# Altium PCB 按键_数码管.PcbDoc
Units mil, origin at the board's own origin, x right, y up, seen from the top; angles counter-clockwise.
Board outline 3800 x 3100 mil, 2 copper layers (Top Layer, Bottom Layer); 45 components, 61 nets, 247 pads, 12 vias.
Unrouted connection lines stored in the file: 1.
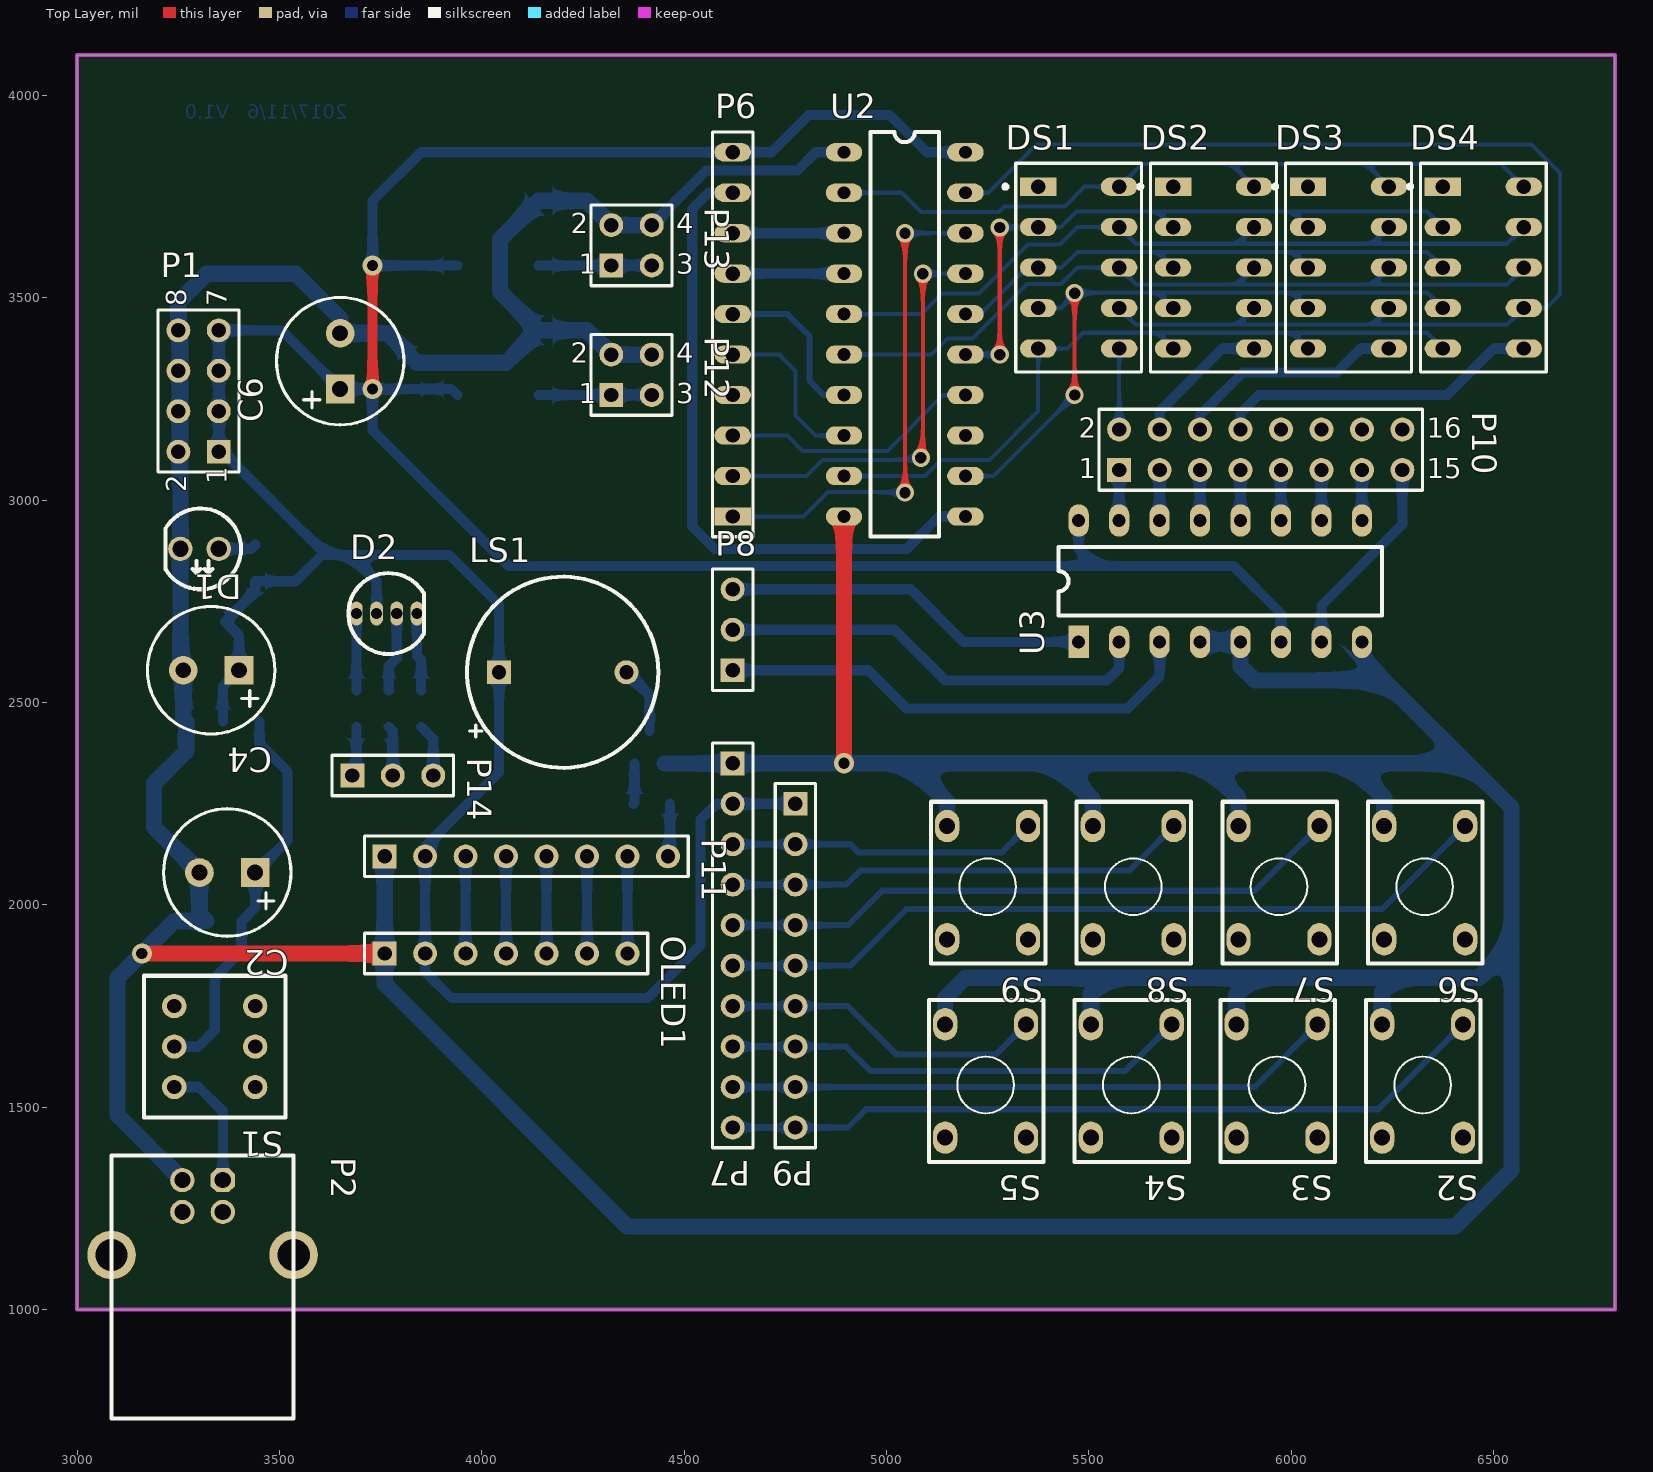
[diagram p0: Top Layer view]
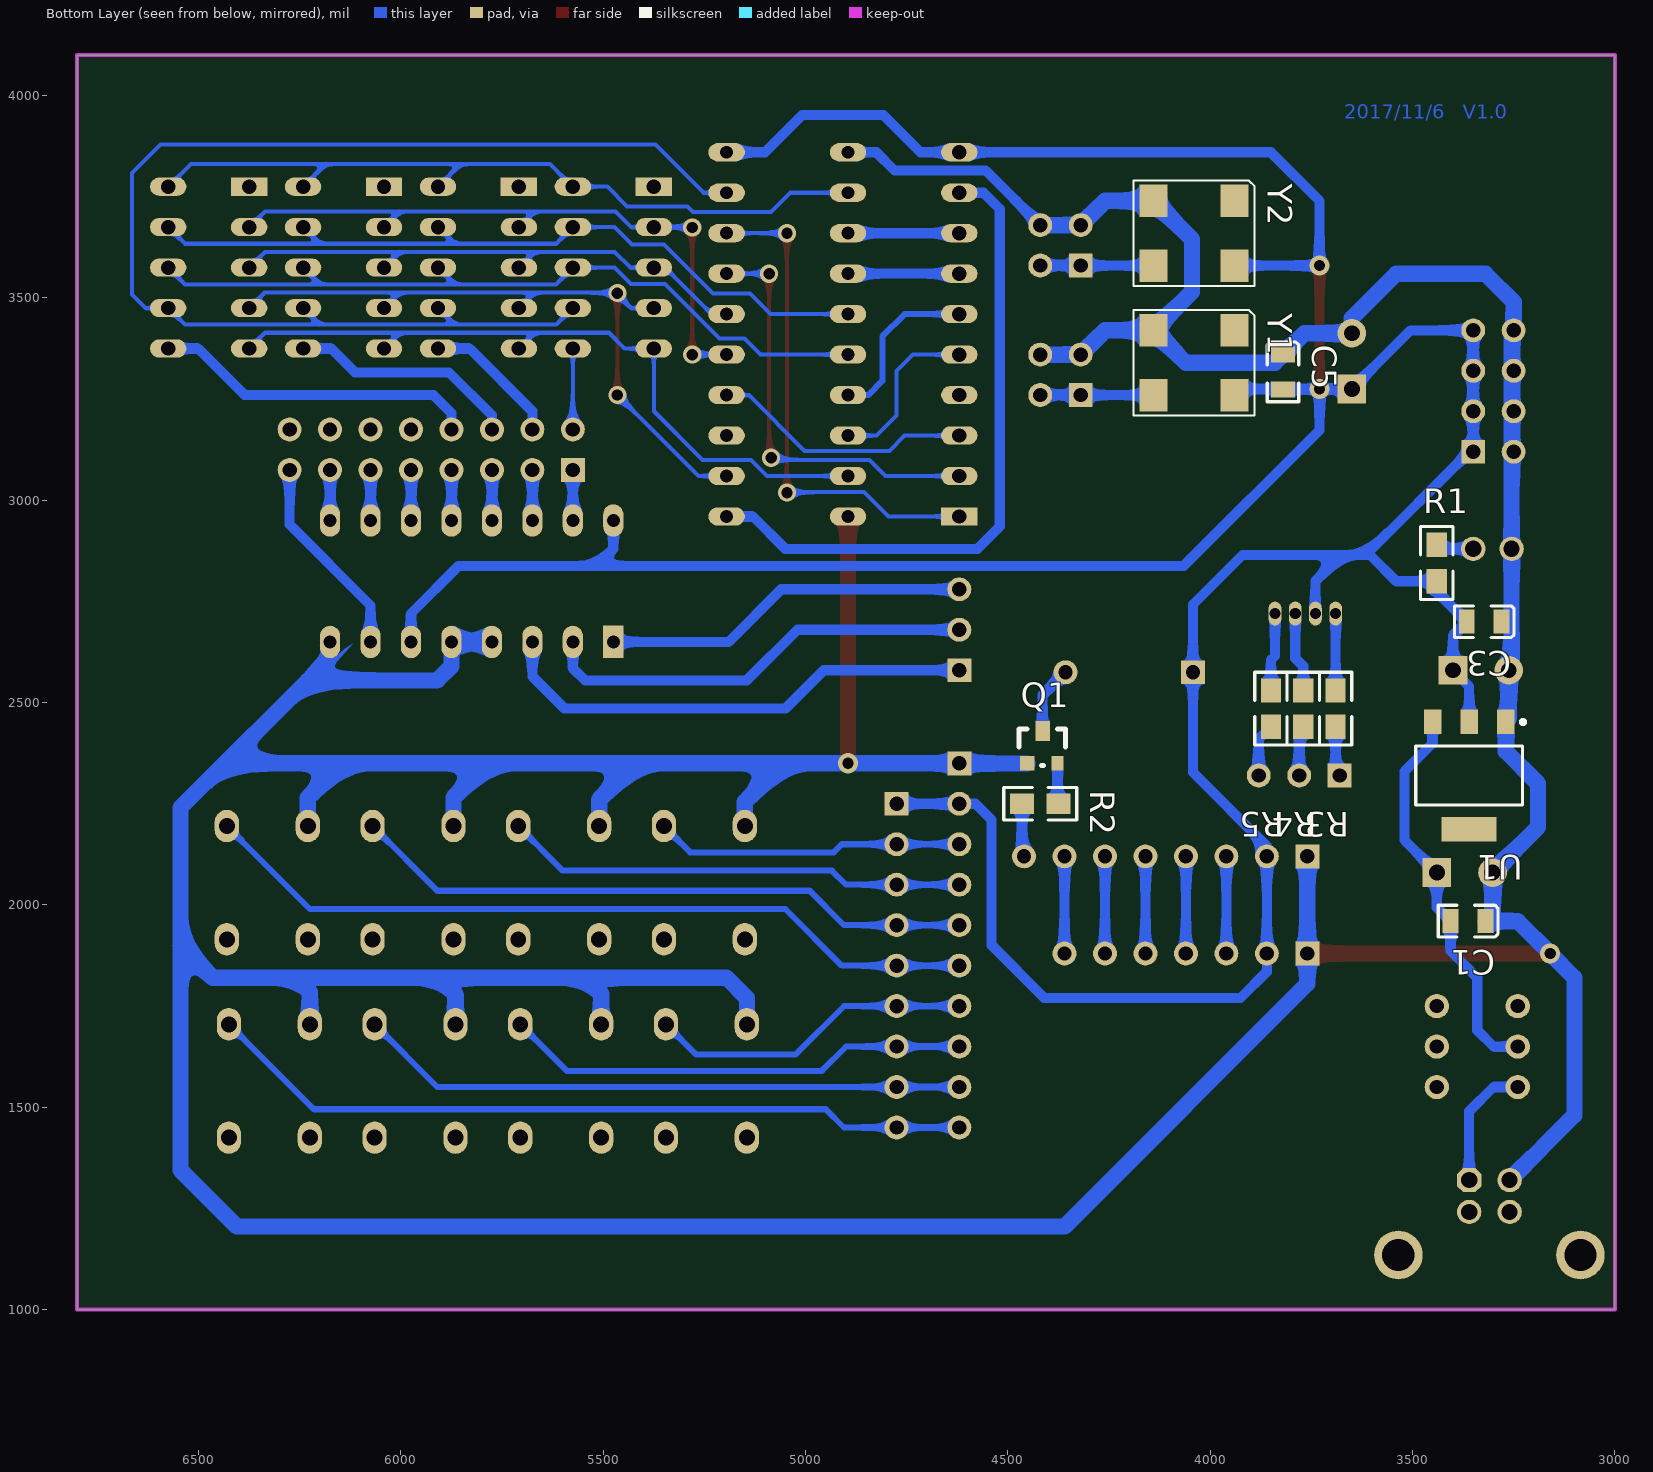
[diagram p1: Bottom Layer view, seen from below]
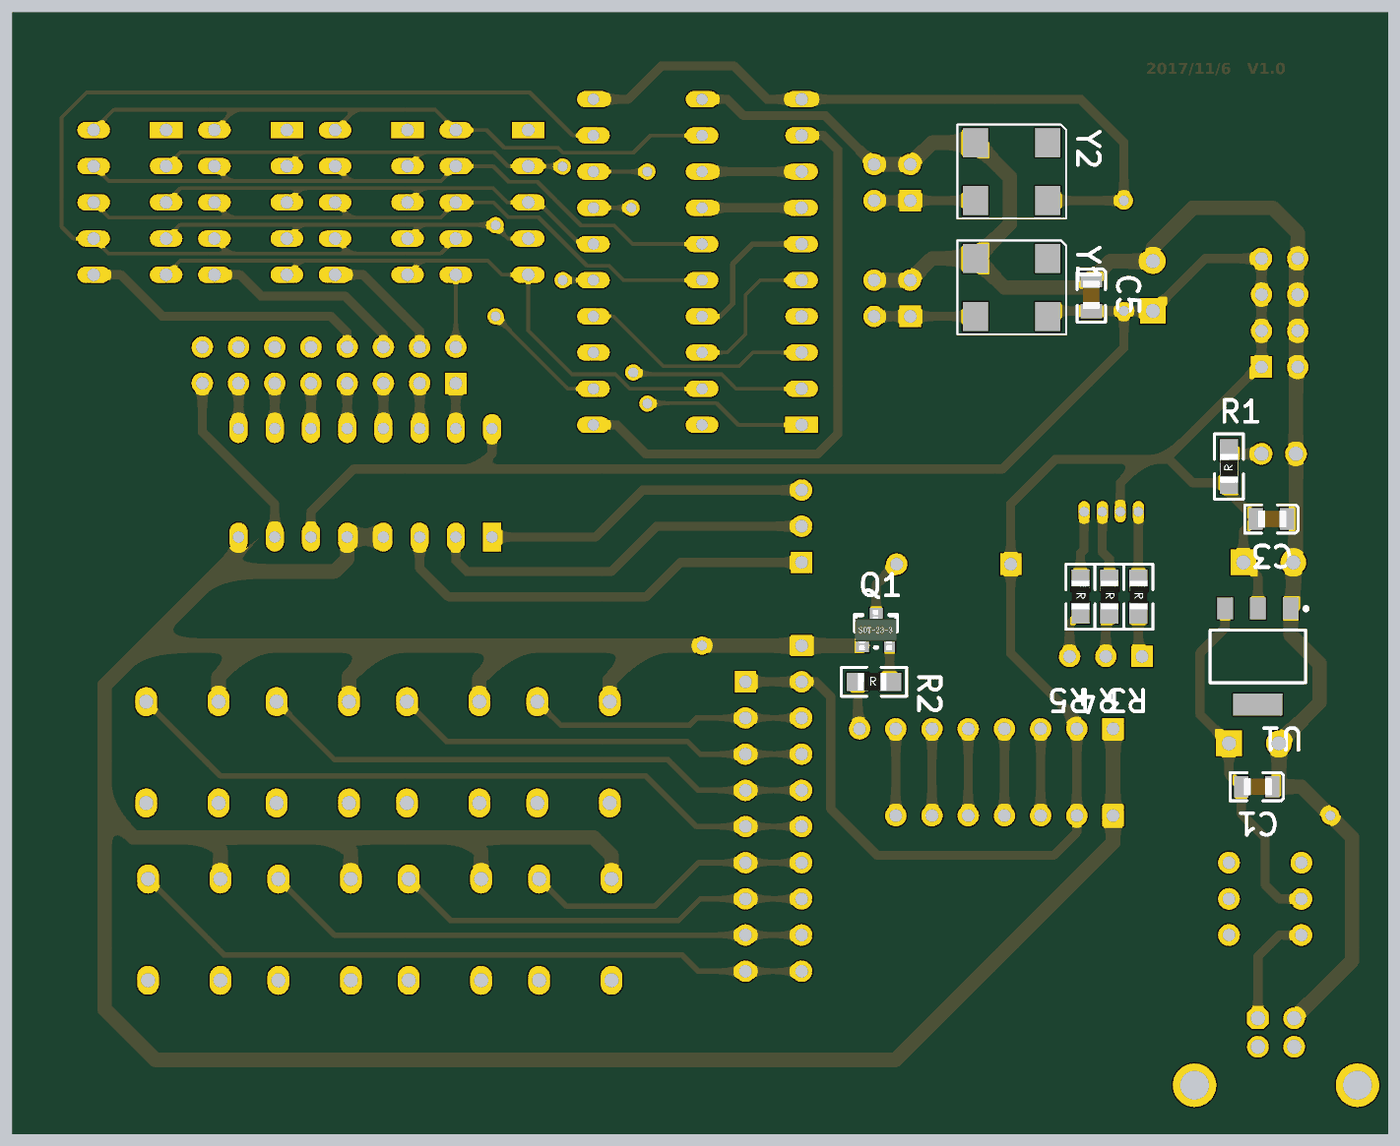
[diagram p2: 3D render of the assembled board from below, using the file's embedded part models]

## Layer stack, top to bottom
Top Solder: solder mask 0.4, Solder Resist, Dk 3.5
Top Layer: signal copper 1.4
Dielectric 1: dielectric 12.6, FR-4, Dk 4.8
Bottom Layer: signal copper 1.4
Bottom Solder: solder mask 0.4, Solder Resist, Dk 3.5

## Board outline
3000,1000 3000,4100 6800,4100 6800,1000

## Design rules (kind name [scope] priority, off if disabled: settings)
Clearance [All] p1: gap=10
PolygonConnect [All] p1: connectstyle=Relief reliefconductorwidth=10 reliefentries=4 polygonreliefangle="90 Angle" airgapwidth=10
RoutingVias [All] p1: holewidth=28 width=50 viastyle="Through Hole" minholewidth=28 minwidth=50 maxholewidth=28 maxwidth=50
SolderMaskExpansion [All] p1: expansion=4
Width [All] p1: maxlimit=100 minlimit=10 preferedwidth=15
30 further rules are at their usual default settings.

## Components (designator, comment, footprint, x,y, rotation, side; value= is the part's Value field where it differs from the comment)
C1 "Cap" C-0805 3320,1960 r0 bottom
C2 "Cap Pol1" C-RB-8 3440,2080 r180 top
C3 "Cap" C-0805 3280,2700 r0 bottom
C4 "Cap Pol1" C-RB-8 3400,2580 r180 top
C5 "Cap" C-0805 3820,3360 r270 bottom
C6 "Cap Pol1" C-RB-8 3650,3275 r90 top
D1 "LED0" LED 3350,2880 r180 top
D2 "LED-RGB" LED-RGB 3770,2720 r0 top
DS1 "Dpy Amber-CC" A 5475,3575 r0 top
DS2 "Dpy Amber-CC" A 5808.33,3575 r0 top
DS3 "Dpy Amber-CC" A 6141.67,3575 r0 top
DS4 "Dpy Amber-CC" A 6475,3575 r0 top
LS1 "Buzzer" Beep 4200,2575 r0 top
OLED1 "OLDE" HDR1X7 3760,1880 r0 top
P1 "Header 4X2" HDR2X4 3350,3120 r90 top
P2 "Header 2" USB_B1 3360,1320 r270 top
P6 "Header 10" HDR1X10#1 4620,2960 r90 top
P7 "Header 10" HDR1X10#2 4620,2350 r270 top
P8 "Header 3" HDR1X3 4620,2580 r90 top
P9 "Header 9" HDR1X9 4775,2250 r270 top
P10 "Header 8X2" HDR2X8 5575,3075 r0 top
P11 "Header 8" HDR1X8 3760,2120 r0 top
P12 "Header 2X2" HDR2X2 4320,3260 r0 top
P13 "Header 2X2" HDR2X2 4320,3580 r0 top
P14 "Header 3" HDR1X3 3680,2320 r0 top
Q1 "2N3904" SOT-23 4500,2470 r180 bottom
R1 "Res2" 0805 3440,2840 r90 bottom
R2 "Res2" 0805 4425,2250 r180 bottom
R3 "Res2" 0805 3690,2490 r270 bottom
R4 "Res2" 0805 3770,2490 r270 bottom
R5 "Res2" 0805 3850,2490 r270 bottom
S1 "SW-SPST" SW-6pin 3340,1650 r180 top
S2 "SW-PB" KeyA 6465,1745 r270 top
S3 "SW-PB" KeyA 6105,1745 r270 top
S4 "SW-PB" KeyA 5745,1745 r270 top
S5 "SW-PB" KeyA 5385,1745 r270 top
S6 "SW-PB" KeyA 6470,2235 r270 top
S7 "SW-PB" KeyA 6110,2235 r270 top
S8 "SW-PB" KeyA 5750,2235 r270 top
S9 "SW-PB" KeyA 5390,2235 r270 top
U1 "ASM1117" SOT-223 3360,2320 r0 bottom
U2 "74LS373" DIP20 4895,3860 r0 top
U3 "74HC138" DIP16 5475,2650 r90 top
Y1 "XATLS" "XTAL-OCX7050 - M" 3940,3420 r270 bottom
Y2 "XATLS" "XTAL-OCX7050 - M" 3940,3740 r270 bottom

## Footprints (in the part's own frame and the unit in brackets; to place one, negate y for a bottom-side part, rotate by r counter-clockwise, add the part's x,y. Pads: shape width x height; smd on the part's side, far side on the other; paste and mask are expansions set on the pad)
0805 [mil]
  rect 60x50 smd: 1(-40,0) 2(50,0)
  silkscreen extent -85,-40 95,40, body extent -39,-24 39,29, height 26
A [mil] "LED, 7-Segment Display, 7.62 mm, RHD; 10 Leads; Row Space 5.08 mm; Pitch 2.54 mm"
  rect 90x45 hole 35.43: 1(-100,200)
  oval 90x45 hole 35.43: 2(-100,100) 3(-100,0) 4(-100,-100) 5(-100,-200) 6(100,-200) 7(100,-100) 8(100,0) 9(100,100) 10(100,200)
  silkscreen extent -186,-258 156,258, body extent -156,-258 156,258, height 250
Beep [mm] "蜂鸣器"
  rect 1.5x1.5 hole 0.9: 1(-4,0)
  round 1.5 hole 0.9: 2(4,0)
  silkscreen extent -6,-6 6,6
C-0805 [mm]
  rect 1x1.5 smd: 1(0,0) 2(2.184,0)
  silkscreen extent -0.79,-0.99 2.96,0.99, body extent 0.02,-0.6 2.02,0.6, height 0.95
C-RB-8 [mm] "35V 220UF电容"
  rect 1.8x1.8 hole 1: 1(0,0)
  round 1.8 hole 1: 2(3.5,0)
  silkscreen extent -2.25,-4 5.75,4
DIP16 [mil]
  rect 80x50 hole 32: 1(0,0)
  oval 80x50 hole 32: 2(0,-100) 3(0,-200) 4(0,-300) 5(0,-400) 6(0,-500) 7(0,-600) 8(0,-700) 9(300,-700) 10(300,-600) 11(300,-500) 12(300,-400) 13(300,-300) 14(300,-200) 15(300,-100) 16(300,0)
  silkscreen extent 65,-750 235,50
DIP20 [mil]
  oval 90x45 hole 32: 1(0,0) 2(0,-100) 3(0,-200) 4(0,-300) 5(0,-400) 6(0,-500) 7(0,-600) 8(0,-700) 9(0,-800) 10(0,-900) 11(300,-900) 12(300,-800) 13(300,-700) 14(300,-600) 15(300,-500) 16(300,-400) 17(300,-300) 18(300,-200) 19(300,-100) 20(300,0)
  silkscreen extent 65,-950 235,50
HDR1X3 [mm] "Connector; Header; 3 Position"
  rect 1.5x1.5 hole 0.9: 1(0,0)
  round 1.5 hole 0.9: 2(2.54,0) 3(5.08,0)
  silkscreen extent -1.27,-1.27 6.35,1.27
HDR1X7 [mm] "Connector; Header; 7 Position"
  rect 1.5x1.5 hole 0.9: 1(0,0)
  round 1.5 hole 0.9: 2(2.54,0) 3(5.08,0) 4(7.62,0) 5(10.16,0) 6(12.7,0) 7(15.24,0)
  silkscreen extent -1.27,-1.27 16.51,1.27
HDR1X8 [mm] "Connector; Header; 8 Position"
  rect 1.5x1.5 hole 0.9: 1(0,0)
  round 1.5 hole 0.9: 2(2.54,0) 3(5.08,0) 4(7.62,0) 5(10.16,0) 6(12.7,0) 7(15.24,0) 8(17.78,0)
  silkscreen extent -1.27,-1.27 19.05,1.27
HDR1X9 [mm] "Connector; Header; 9 Position"
  rect 1.5x1.5 hole 0.9: 1(0,0)
  round 1.5 hole 0.9: 2(2.54,0) 3(5.08,0) 4(7.62,0) 5(10.16,0) 6(12.7,0) 7(15.24,0) 8(17.78,0) 9(20.32,0)
  silkscreen extent -1.27,-1.27 21.59,1.27
HDR1X10#1 [mil] "Connector; Header; 10 Position"
  rect 45x90 hole 35.43: 1(0,0)
  oval 45x90 hole 35.43: 2(100,0) 3(200,0) 4(300,0) 5(400,0) 6(500,0) 7(600,0) 8(700,0) 9(800,0) 10(900,0)
  silkscreen extent -50,-50 950,50
HDR1X10#2 [mil] "Connector; Header; 10 Position"
  rect 59.06x59.06 hole 35.43: 1(0,0)
  round 59.06 hole 35.43: 2(100,0) 3(200,0) 4(300,0) 5(400,0) 6(500,0) 7(600,0) 8(700,0) 9(800,0) 10(900,0)
  silkscreen extent -50,-50 950,50
HDR2X2 [mm] "Connector; Header; 2x2 Position"
  rect 1.5x1.5 hole 0.9: 1(0,0)
  round 1.5 hole 0.9: 2(0,2.54) 3(2.54,0) 4(2.54,2.54)
  silkscreen extent -1.27,-1.27 3.81,3.81
HDR2X4 [mm] "Connector; Header; 4x2 Position"
  rect 1.5x1.5 hole 0.9: 1(0,0)
  round 1.5 hole 0.9: 2(0,2.54) 3(2.54,0) 4(2.54,2.54) 5(5.08,0) 6(5.08,2.54) 7(7.62,0) 8(7.62,2.54)
  silkscreen extent -1.27,-1.27 8.89,3.81
HDR2X8 [mm] "Connector; Header; 8x2 Position"
  rect 1.5x1.5 hole 0.9: 1(0,0)
  round 1.5 hole 0.9: 2(0,2.54) 3(2.54,0) 4(2.54,2.54) 5(5.08,0) 6(5.08,2.54) 7(7.62,0) 8(7.62,2.54) 9(10.16,0) 10(10.16,2.54) 11(12.7,0) 12(12.7,2.54) 13(15.24,0) 14(15.24,2.54) 15(17.78,0) 16(17.78,2.54)
  silkscreen extent -1.27,-1.27 19.05,3.81
KeyA [mil]
  oval 80x60 hole 39.37: 1(40,-40) 2(40,-240) 3(320,-240) 4(320,-40)
  silkscreen extent -20,-280 380,3
LED [mil]
  round 60 hole 40: 1(0,0) 2(95,0)
  silkscreen extent -55,-100 132,100
LED-RGB [mm] "三基色二极管"
  oval 0.8x1.5 hole 0.7: 1(-2.032,0) 2(-0.762,0) 3(0.5,0) 4(1.778,0)
  silkscreen extent -2.54,-2.54 2.22,2.54
SOT-23 [mil]
  rect 36x36 smd: 1(47.75,-120.28)
  rect 30x36 smd: 2(122.75,-120.28)
  rect 36x50 smd: 3(85.75,-40.28)
  silkscreen extent 28,-125 143,-35, body extent 27,-132 141,-22, height 47
SOT-223 [mm]
  rect 1.1x1.55 smd: 1(-2.3,-3.375) 2(0,-3.375) 3(2.3,-3.375)
  rect 3.45x1.55 smd: 4(0,3.375)
  silkscreen extent -3.5,-3.48 3.35,1.85, body extent -3.3,-3.94 3.3,3.43, height 0.8
SW-6pin [mil]
  round 60 hole 35: 1(100,100) 2(100,0) 3(100,-100) 4(-100,-100) 5(-100,0) 6(-100,100)
  silkscreen extent -175,-175 175,175
USB_B1 [mil] "USB方孔"
  oct 60x60 hole 40: 1(0,0)
  round 60 hole 40: 2(0,-100) 3(78.74,-100) 4(78.74,0)
  round 120 hole 80: 5(185.04,175) 6(185.04,-275)
  silkscreen extent -61,-275 589,175
"XTAL-OCX7050 - M" [mil] "斜角标记"
  rect 80x70 smd: 1(0,0) 2(0,-200) 3(160,-200) 4(160,0)
  silkscreen extent -50,-250 210,50

## Part data
C1 C3 C5: "Capacitor"
C2 C4 C6: "Polarized Capacitor (Radial)"
D1: "Typical INFRARED GaAs LED"
D2: "三基色LED"
DS1 DS2 DS3 DS4: "7.62 mm Black Surface Orange 7-Segment Display: CC, RH DP"
LS1: "Magnetic Transducer Buzzer"
OLED1: library part OLED-0.96寸
P1: "Header, 4-Pin, Dual row"
P2: "Header, 2-Pin"
P6 P7: "Header, 10-Pin"
P8 P14: "Header, 3-Pin"
P9: "Header, 9-Pin"
P10: "Header, 8-Pin, Dual row"
P11: "Header, 8-Pin"
P12 P13: "Header, 2-Pin, Dual row"
Q1: "NPN General Purpose Amplifier"
R1 R2 R3 R4 R5: "Resistor"
S1: "Single-Pole, Single-Throw Switch"
S2 S3 S4 S5 S6 S7 S8 S9: "Switch"
U1: "3.3V稳压芯片"
U3: "138译码器"
Y1 Y2: "贴片有源晶振"

## Via types
v1: diameter 45, hole 28, Top Layer to Bottom Layer, 8 vias
v2: diameter 50, hole 28, Top Layer to Bottom Layer, 4 vias

## Nets (pads, with @x,y where several pads share a name; then routed paths per layer and width w, separated by ;. In a path a pad name is that pad's centre, name@x,y a point inside that pad or via, vN(x,y) a via of type N, cw(c..) or ccw(c..) an arc to the next point about the centre after c; other vN are vias at no path point)
BUZZ: P11.8 R2.1 | length 132.1
  Bottom Layer w25: P11.8 4465,2125 R2.1
CLK_OUT_20M: P12.1 P12.3 Y1.3 | length 280
  Bottom Layer w25: Y1.3 P12.1 P12.3
CLK_OUT_50M: P13.1 P13.3 Y2.3 | length 280
  Bottom Layer w25: Y2.3 P13.1 P13.3
DC_IN: C1.2 C2.1 S1.2 U1.3 | length 982.8
  Bottom Layer w25: S1.2 3300,1650 3340,1690 3340,1820 3406,1886 C1.2 3440,1994 C2.1 3520,2160 3520,2330 3450.55,2399.45 U1.3
DS0: P7.10 P9.9 S2.1 | length 1910.6
  Bottom Layer w15: P7.10 P9.9 4905,1450 4950,1495 6215,1495 S2.1
DS1: P7.9 P9.8 S3.1 | length 1509.2
  Bottom Layer w15: P7.9 P9.8 5910,1550 S3.1
DS2: P7.8 P9.7 S4.1 | length 1157.5
  Bottom Layer w15: P7.8 P9.7 4900,1650 4960,1590 5590,1590 S4.1
DS3: P7.7 P9.6 S5.1 | length 805.8
  Bottom Layer w15: P7.7 P9.6 4905,1750 5025,1630 5270,1630 S5.1
DS4: P7.6 P9.5 S6.1 | length 1952.9
  Bottom Layer w15: P7.6 P9.5 4910,1850 5050,1990 6225,1990 S6.1
DS5: P7.5 P9.4 S7.1 | length 1551.5
  Bottom Layer w15: P7.5 P9.4 4905,1950 4990,2035 5910,2035 S7.1
DS6: P7.4 P9.3 S8.1 | length 1150.1
  Bottom Layer w15: P7.4 P9.3 4900,2050 4935,2085 5600,2085 S8.1
DS7: P7.3 P9.2 S9.1 | length 765.2
  Bottom Layer w15: P7.3 P9.2 4910,2150 4930,2130 5285,2130 S9.1
G0: DS1.10 DS2.10 DS3.10 DS4.10 U2.2 | length 1930.8
  Bottom Layer w10: U2.2 5037,3760 5085,3712 5278,3712 5292,3726 5441,3726 5490,3775 DS1.10 5631,3831 5852.33,3831 ; DS2.10 5852.33,3831 ; DS3.10 6185.67,3831 ; DS4.10 6519,3831 6185.67,3831 ; 5852.33,3831 6185.67,3831
G1: DS1.9 DS2.9 DS3.9 DS4.9 U2.5 | length 1919
  Bottom Layer w10: U2.5 5086,3460 5137,3511 5229,3511 5350,3632 5429,3632 5472,3675 DS1.9 5616,3634 5867.33,3634 ; DS2.9 5867.33,3634 ; DS3.9 6200.67,3634 ; DS4.9 6534,3634 6200.67,3634 ; 5867.33,3634 6200.67,3634
G2: DS1.8 DS2.8 DS3.8 DS4.8 U2.6 | length 1922.6
  Bottom Layer w10: U2.6 5111,3360 5151,3400 5213,3400 5347,3534 5431,3534 5472,3575 DS1.8 5617,3533 5866.33,3533 ; DS2.8 5866.33,3533 ; DS3.8 6199.67,3533 ; DS4.8 6533,3533 6199.67,3533 ; 5866.33,3533 6199.67,3533
G3: DS1.5 DS2.5 DS3.5 DS4.5 U2.9 | length 1843.9
  Bottom Layer w10: U2.9 5095,3060 5135,3100 5255,3100 5375,3220 DS1.5 5447,3375 5486,3414 5669.33,3414 ; DS2.5 5669.33,3414 ; DS3.5 6002.67,3414 ; DS4.5 6336,3414 6002.67,3414 ; 5669.33,3414 6002.67,3414
G4: DS1.4 DS2.4 DS3.4 DS4.4 U2.12 | length 1748.2
  Top Layer w10: v1(5465,3260) v1(5465,3512)
  Bottom Layer w10: U2.12 5265,3060 v1(5465,3260) ; DS1.4 5431,3475 v1@5469,3513 ; v1(5465,3512) 5466,3513 v1@5469,3513 ; DS2.4 5670.33,3513 ; DS3.4 6003.67,3513 ; DS4.4 6337,3513 6003.67,3513 ; v1@5469,3513 5670.33,3513 ; 5670.33,3513 6003.67,3513
G5: DS1.2 DS2.2 DS3.2 DS4.2 U2.15 | length 1637.6
  Top Layer w10: v1(5280,3360) v1(5280,3674)
  Bottom Layer w10: U2.15 v1(5280,3360) ; v1(5280,3674) 5280,3675 DS1.2 5431,3675 5470,3714 5669.33,3714 ; DS2.2 5669.33,3714 ; DS3.2 6002.67,3714 ; DS4.2 6336,3714 6002.67,3714 ; 5669.33,3714 6002.67,3714
G6: DS1.3 DS2.3 DS3.3 DS4.3 U2.16 | length 1349.3
  Bottom Layer w10: U2.16 5232,3460 DS1.3@5352,3580 ; DS1.3 5433,3575 5472,3614 5669.33,3614 ; DS2.3 5669.33,3614 ; DS3.3 6002.67,3614 ; DS4.3 6336,3614 6002.67,3614 ; 5669.33,3614 6002.67,3614
G7: DS1.7 DS2.7 DS3.7 DS4.7 U2.19 | length 3100.9
  Bottom Layer w10: U2.19 5252,3760 5371,3879 6594,3879 6664,3809 6664,3508 6631,3475 DS4.7 6534,3434 6200.67,3434 ; DS1.7 5616,3434 5867.33,3434 ; DS2.7 5867.33,3434 ; DS3.7 6200.67,3434 ; 5867.33,3434 6200.67,3434
GND: C1.1 C2.2 C3.1 C4.2 C5.1 C6.2 D1.2 OLED1.1 P1.2 P1.4 P1.6 P1.8 P2.2 P7.1 P11.1 P12.2 P12.4 P13.2 P13.4 Q1.1 S2.2 S3.2 S4.2 S5.2 S6.2 S7.2 S8.2 S9.2 U1.1 U2.1 U2.10 U3.4 U3.5 U3.8 Y1.2 Y2.2 | length 16357.8
  Top Layer w40: v2(3160,1880) OLED1.1 ; v2(4895,2350) U2.10
  Bottom Layer w25: P13.4 4555,3815 4780,3815 4825,3860 U2.1
  Bottom Layer w40: P2.2 3100,1480 3100,1820 v2(3160,1880) 3240,1960 C1.1 3302.2,1977.8 C2.2 3190,2192.2 3190,2300 3269.45,2379.45 U1.1 3262.2,2460.12 C4.2 3255,2587.2 D1.2 3255,3415 P1.8 3250,3490 3320,3560 3540,3560 3650,3450 C6.2 3767.2,3412.8 C5.1 3840,3340 4060,3340 Y1.2 ; P11.1 OLED1.1 3760,1805 4360,1205 6405,1205 6545,1345 6545,1900 ; P12.4 P12.2 4260,3420 Y1.2 ; P13.4 P13.2 4260,3740 Y2.2 4045,3645 4045,3515 Y1.2 ; Q1.1 4619.72,2349.72 P7.1 v2(4895,2350) 5055,2350 ; S5.2 5145,1770 5195,1820 5545,1820 ; S9.2 5150,2255 5055,2350 ; S4.2 5505,1780 5545,1820 ; S8.2 5510,2260 5420,2350 ; U3.4 U3.5 5875,2590 5910,2555 6230,2555 ; S3.2 5865,1780 5905,1820 ; S7.2 5870,2265 5785,2350 ; U3.8 6175,2610 6545,2240 6545,1900 ; S2.2 6225,1785 6260,1820 ; S6.2 6230,2265 6145,2350 ; 6435,2350 6145,2350 ; 5055,2350 5420,2350 ; 5420,2350 5785,2350 ; 5545,1820 5905,1820 ; 5785,2350 6145,2350 ; 5905,1820 6260,1820 ; 6260,1820 6465,1820 6545,1900
NetD1_1: D1.1 R1.2 | length 94.1
  Bottom Layer w25: D1.1 3430,2880 R1.2
NetD2_1: D2.1 R3.1 | length 190
  Bottom Layer w25: R3.1 D2.1
NetD2_3: D2.3 R4.1 | length 198.2
  Bottom Layer w25: R4.1 3770,2590 3789.69,2609.69 D2.3
NetD2_4: D2.4 R5.1 | length 194.1
  Bottom Layer w25: D2.4 3840,2615 3850,2605 R5.1
NetLS1_2: LS1.2 Q1.3 | length 168.8
  Bottom Layer w25: LS1.2 4414.25,2518.23 Q1.3
NetOLED1_3: OLED1.3 P11.3 | length 240
  Bottom Layer w25: OLED1.3 P11.3
NetOLED1_4: OLED1.4 P11.4 | length 240
  Bottom Layer w25: OLED1.4 P11.4
NetOLED1_5: OLED1.5 P11.5 | length 240
  Bottom Layer w25: OLED1.5 P11.5
NetOLED1_6: OLED1.6 P11.6 | length 240
  Bottom Layer w25: OLED1.6 P11.6
NetOLED1_7: OLED1.7 P11.7 | length 240
  Bottom Layer w25: OLED1.7 P11.7
NetP2_1: P2.1 S1.1 | length 314.9
  Bottom Layer w25: S1.1 3300,1550 3360,1490 P2.1
NetP6_1: P6.1 U2.18 | length 1241.3
  Top Layer w10: v1(5046,3019) v1(5046,3660)
  Bottom Layer w10: P6.1 4795,2960 4855,3020 5045,3020 v1(5046,3019) ; v1(5046,3660) U2.18
NetP6_2: P6.2 U2.17 | length 1055.7
  Top Layer w10: v1(5085,3105) 5090,3100 v1(5090,3560)
  Bottom Layer w10: P6.2 4802,3060 4842,3100 5080,3100 v1(5085,3105) ; v1(5090,3560) U2.17
NetP6_3: P6.3 U2.14 | length 647.9
  Bottom Layer w10: P6.3 4755,3160 4793,3122 5002,3122 5140,3260 U2.14
NetP6_4: P6.4 U2.13
NetP6_5: P6.5 U2.8 | length 422.3
  Bottom Layer w10: P6.5 4735,3360 4775,3320 4775,3210 4825,3160 U2.8
NetP6_6: P6.6 U2.7 | length 422.3
  Bottom Layer w15: P6.6 4755,3460 4810,3405 4810,3295 4845,3260 U2.7
NetP6_7: P6.7 U2.4 | length 275
  Bottom Layer w25: P6.7 U2.4
NetP6_8: P6.8 U2.3 | length 275
  Bottom Layer w25: P6.8 U2.3
NetP6_9: P6.9 U2.11 | length 1632.5
  Bottom Layer w25: P6.9 4560,3760 4520,3720 4520,2935 4575,2880 4805,2880 5050,2880 5130,2960 U2.11
NetP8_1: P8.1 U3.3 | length 1212.5
  Bottom Layer w25: P8.1 4955,2580 5050,2485 5595,2485 5675,2565 U3.3
NetP8_2: P8.2 U3.2 | length 1084.2
  Bottom Layer w25: P8.2 5020,2680 5145,2555 5545,2555 5575,2585 U3.2
NetP8_3: P8.3 U3.1 | length 908.8
  Bottom Layer w25: P8.3 5060,2780 5190,2650 U3.1
NetP10_1: P10.1 U3.15 | length 125
  Bottom Layer w25: U3.15 P10.1
NetP10_3: P10.3 U3.14 | length 125
  Bottom Layer w25: U3.14 P10.3
NetP10_5: P10.5 U3.13 | length 125
  Bottom Layer w25: U3.13 P10.5
NetP10_7: P10.7 U3.12 | length 125
  Bottom Layer w25: U3.12 P10.7
NetP10_9: P10.9 U3.11 | length 125
  Bottom Layer w25: U3.11 P10.9
NetP10_11: P10.11 U3.10 | length 125
  Bottom Layer w25: U3.10 P10.11
NetP10_13: P10.13 U3.9 | length 125
  Bottom Layer w25: U3.9 P10.13
NetP10_15: P10.15 U3.7 | length 507.8
  Bottom Layer w25: U3.7 6075,2740 6275,2940 P10.15
NetP14_1: P14.1 R3.2 | length 124.1
  Bottom Layer w25: P14.1 3690,2330 R3.2
NetP14_2: P14.2 R4.2 | length 124.1
  Bottom Layer w25: R4.2 3780,2430 P14.2
NetP14_3: P14.3 R5.2 | length 132.4
  Bottom Layer w25: R5.2 3880,2410 P14.3
NetQ1_2: Q1.2 R2.2 | length 100.7
  Bottom Layer w25: R2.2 4377.25,2252.24 Q1.2
VCC: C3.2 C4.1 C5.2 C6.1 D2.2 LS1.1 OLED1.2 P1.1 P1.3 P1.5 P1.7 P6.10 P7.2 P9.1 P11.2 R1.1 U1.2 U2.20 U3.6 U3.16 Y1.4 Y2.4 | length 9892.8
  Top Layer w25: v2(3730,3275) v2(3730,3580)
  Bottom Layer w25: U1.2 3360,2540 C4.1 3400,2666 C3.2 3440,2774 R1.1 3540,2800 3605,2865 3615,2865 ; D2.2 3740,2800 3675,2865 ; Y1.4 3925,3275 v2(3730,3275) ; Y2.4 v2(3730,3580) 3730,3740 3850,3860 P6.10 4716,3860 4808,3952 5008,3952 5100,3860 U2.20 ; P9.1 P7.2 4580,2250 4540,2210 4540,1900 4410,1770 3925,1770 3860,1835 OLED1.2 P11.2 3860,2145 4042.52,2327.52 LS1.1 4042.52,2742.48 3920,2865 3675,2865 ; U3.16 5475,2880 5517,2838 ; U3.6 5975,2720 5857,2838 5517,2838 ; 3615,2865 3360,3120 P1.1 P1.3 P1.5 P1.7 3505,3420 C6.1 v2(3730,3275) ; 3615,2865 3675,2865 ; v2(3730,3275) 3730,3173 4065,2838 5517,2838
W0: DS1.6 P10.2 | length 200
  Bottom Layer w10: P10.2 DS1.6
W1: DS2.6 P10.4 | length 342.5
  Bottom Layer w25: P10.4 5675,3220 5830,3375 DS2.6
W2: DS3.6 P10.6 | length 570
  Bottom Layer w25: P10.6 5775,3210 5881,3316 6113,3316 6172,3375 DS3.6
W3: DS4.6 P10.8 | length 806.3
  Bottom Layer w25: P10.8 5875,3215 5920,3260 6386,3260 6501,3375 DS4.6
pads on no net: DS1.1 DS2.1 DS3.1 DS4.1 P2.3 P2.4 P2.5 P2.6 P10.10 P10.12 P10.14 P10.16 S1.3 S1.4 S1.5 S1.6 S2.3 S2.4 S3.3 S3.4 S4.3 S4.4 S5.3 S5.4 S6.3 S6.4 S7.3 S7.4 S8.3 S8.4 S9.3 S9.4 U1.4 Y1.1 Y2.1

## Keep-outs
Keep-Out Layer:
  the board outline again, w10

## Other copper
Bottom Layer:
  text "2017/11/6   V1.0" at 3669,3930 h60

## Text inside footprints (layer, text, board x,y; h text height)
P1: Top Overlay "2" at 3270,3020 h50 r90; Top Overlay "1" at 3370,3040 h50 r90; Top Overlay "7" at 3370,3480 h50 r90; Top Overlay "8" at 3270,3480 h50 r90
P10: Top Overlay "2" at 5475,3155 h50; Top Overlay "1" at 5475,3055 h50; Top Overlay "15" at 6335,3055 h50; Top Overlay "16" at 6335,3155 h50
P12: Top Overlay "1" at 4240,3240 h50; Top Overlay "2" at 4220,3340 h50; Top Overlay "4" at 4480,3340 h50; Top Overlay "3" at 4480,3240 h50
P13: Top Overlay "1" at 4240,3560 h50; Top Overlay "2" at 4220,3660 h50; Top Overlay "4" at 4480,3660 h50; Top Overlay "3" at 4480,3560 h50